# KiCad board Boston-keyboard-S.kicad_pcb (continued)
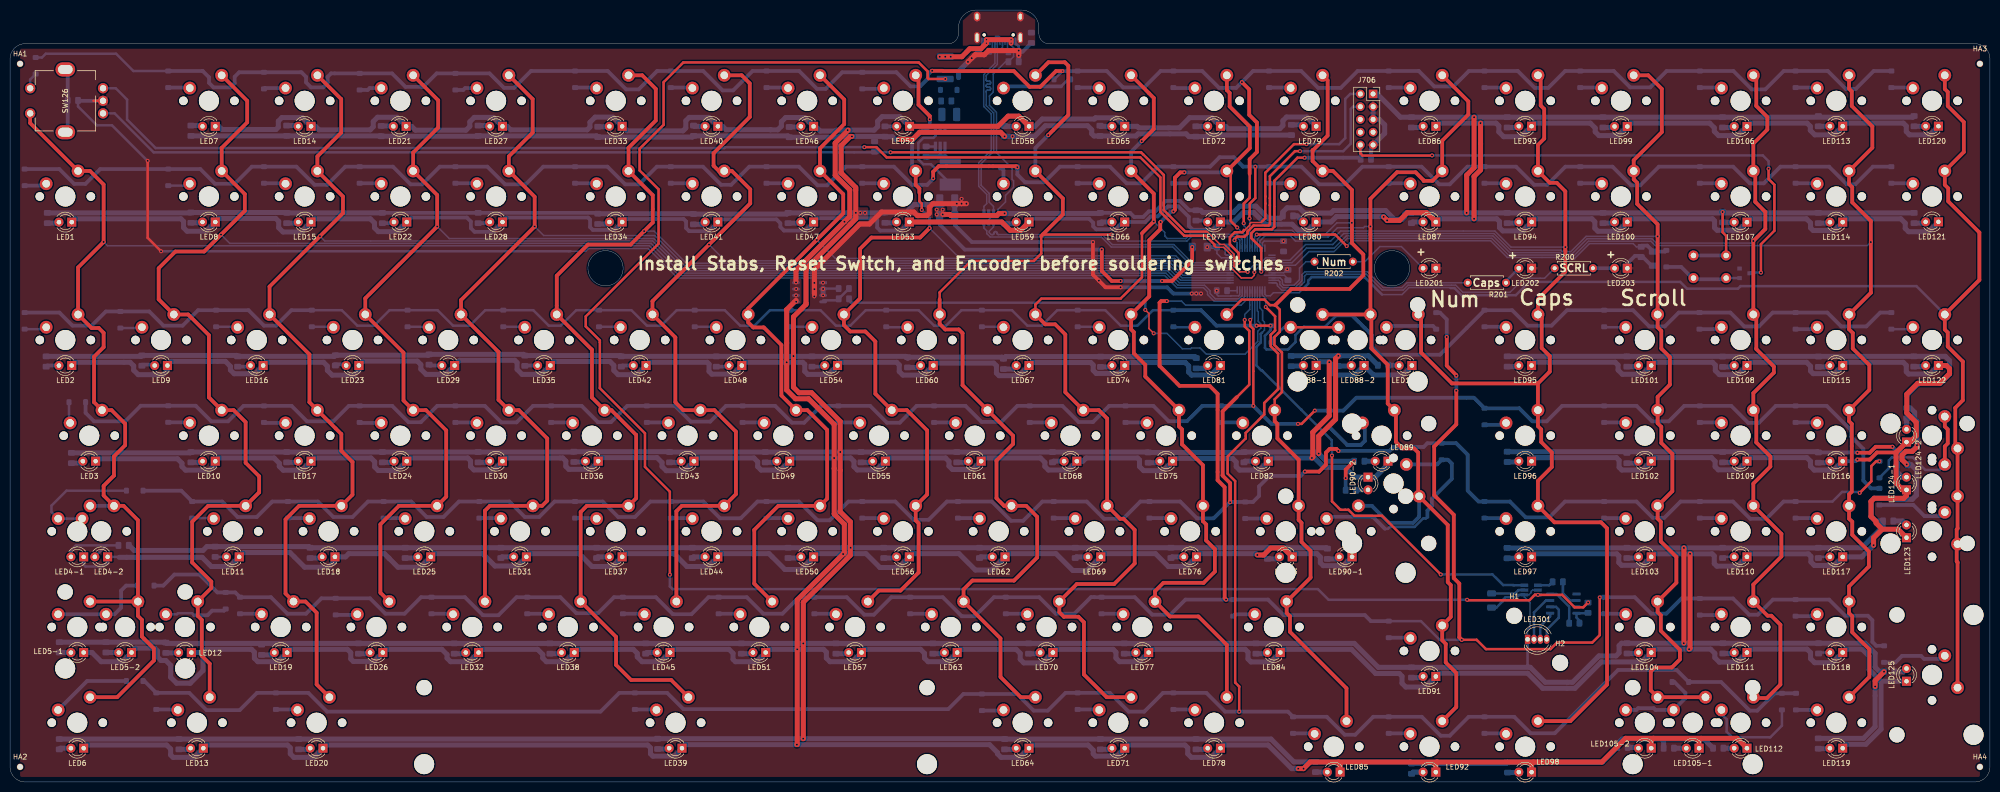
[diagram p0: board, top side]
## Routing (per net, layer and track width the routed paths; a pad name or vN(x,y) marks a point on that pad's centre or on a via; arc(x,y) is an arc through that point) (continued)
  Bottom w0.3: U703.6 193.8,110.3 194.38,109.72 194.38,109.18 195.05,108.51 217.15,108.51 219.15,106.51 231.4,106.51 235.02,102.89 242.79,102.89 U701.32
Dbus+: length 43.9
  Bottom w0.3: 196.47,145.27 196.47,142.88 194.24,140.65 194.24,139.84 194.25,139.77 194.27,139.71 194.31,139.65 194.35,139.61 194.41,139.57 194.47,139.55 194.54,139.54 194.85,139.54 194.91,139.53 194.98,139.51 195.03,139.47 195.08,139.43 195.12,139.37 195.14,139.31 195.15,139.24 195.14,139.17 195.12,139.11 195.08,139.05 195.03,139.01 194.98,138.97 194.91,138.95 194.85,138.94 194.54,138.94 194.47,138.93 194.41,138.91 194.35,138.87 194.31,138.83 194.27,138.77 194.25,138.71 194.24,138.64 194.25,138.57 194.27,138.51 194.31,138.45 194.35,138.41 194.41,138.37 194.47,138.35 194.54,138.34 194.85,138.34 194.91,138.33 194.98,138.31 195.03,138.27 195.08,138.23 195.12,138.17 195.14,138.11 195.15,138.04 195.14,137.97 195.12,137.91 195.08,137.85 195.03,137.81 194.98,137.77 194.91,137.75 194.85,137.74 194.54,137.74 194.47,137.73 194.41,137.71 194.35,137.67 194.31,137.63 194.27,137.57 194.25,137.51 194.24,137.44 194.24,134.7 195.74,133.2 195.74,125.6 193.24,123.1 193.24,118.8 194.84,117.2 194.84,115.46 195.7,114.6 U703.3 ; 196.47,145.27 196.47,147.96 J705.A6 ; 196.47,145.27 197.5,146.3 197.5,146.61 197.49,146.63 J705.B6 ; J705.B6 197.47,147.96 ; J705.B6 197.49,147.93
Dbus-: length 39.7
  Bottom w0.3: J705.A7 196.99,148.22 196.73,148.48 196.24,148.48 195.99,148.23 J705.B7 195.99,143.08 193.76,140.85 193.76,134.5 195.26,133 195.26,125.8 192.76,123.3 192.76,118.6 194.36,117 194.36,115.16 193.8,114.6 U703.1
EncA: length 252.6
  Top w0.3: v1(246.28,101.57) 244.67,101.57 243.57,102.67 243.57,105.09 241.63,107.03 240.79,107.03 238.23,109.59 237.98,109.59
  Top w0.5: 237.98,109.59 233.87,109.59 229.6,113.86 229.6,120.85 225.08,125.37 v1(175.22,125.37)
  Bottom w0.3: U701.2 249.93,104.38 249.22,103.67 249.22,103.34 248.87,102.99 247.57,102.99 246.59,102.01 246.59,101.88 v1(246.28,101.57)
  Bottom w0.5: SW126.A 20.81,133.12 28.57,125.37 v1(175.22,125.37)
EncB: length 257.9
  Top w0.3: 239.67,106.72 239.94,106.45 241.49,106.45 243.06,104.88 243.06,102.3 245.01,100.35 247.08,100.35 247.61,100.88 v1(247.61,101.51)
  Top w0.5: v1(170,126.4) 172.4,126.4 174.44,124.36 224.93,124.36 228.92,120.37 228.92,113.5 233.66,108.76 237.92,108.76 239.67,107.01 239.67,106.72
  Bottom w0.3: U701.6 248.32,102.38 247.61,101.67 v1(247.61,101.51)
  Bottom w0.5: 165.48,126.37 142.29,126.37 142.14,126.22 28.97,126.22 23.29,131.9 23.29,135.86 21.02,138.12 SW126.B ; v1(170,126.4) 165.49,126.4 R708.1
LED_PWM: length 100
  Top w0.3: v1(227.59,89.33) 226.65,90.27 226.65,93.25 v1(225.91,93.99)
  Bottom w0.3: U701.16 248.21,93.8 248.39,93.62 248.39,91.71 248.91,91.19 248.91,90.35 248.29,89.73 248.29,87.72 245.76,85.19 238.04,85.19 236.82,86.41 235.11,86.41 234.96,86.26 233.28,86.26 230.22,89.32 227.6,89.32 v1(227.59,89.33)
  Bottom w0.5: 167.14,95.68 167.39,95.43 225.89,95.43 225.91,95.41 v1(225.91,93.99)
LED_switch: length 2958.4
  Top w0.75: v1(367.62,64.19) 370.09,64.19 371.5,65.61 375.32,65.61
  Top w1: 284,3.97 283.73,3.7 LED92.1 ; 284,3.97 264.36,3.97 ; 284,3.97 303.18,3.97 ; v1(334.12,26.44) 334.32,26.64 v1(334.32,45.42) ; LED122.1 385.33,82.92 385.96,82.29 385.96,81.3 384.03,79.37 379.61,79.37 377.45,77.21 377.45,73.47 379.33,71.59 379.33,68.91 378.1,67.68 LED124-2.1 375.32,65.61 375.32,59.5 376.67,58.16 LED124-1.1 377.39,57.02 376.85,56.48 370.97,56.48 370.32,55.83 370.32,52.86 371.34,51.84 371.34,51.54 372.56,50.32 ; LED59.1 201.12,109.84 199,109.84 197.34,111.5 LED53.1 ; LED52.1 196.59,130.55 198.62,132.57 200.74,132.57 LED58.1 ; 303.18,3.97 316.77,3.97 321.49,8.69 327.04,8.69 ; 303.18,3.97 302.78,3.57 LED98.1 ; 283.73,111.28 LED87.1 281.88,113.35 278.05,113.35 276.51,111.81 v1(274.04,111.81) v1(273.34,112.51) ; LED105-2.1 326.6,8.25 327.04,8.69 ; v1(156.58,7.43) 156.65,7.5 v1(156.65,26.41) 156.65,36.24 v1(165.78,45.38) 166.02,45.61 166.02,51.33 164,53.35 v1(164,64.5) 164,71.2 158.9,76.3 156.3,76.3 154.56,78.04 v1(154.56,83.56) 154.56,93.94 154.5,94 156.4,95.9 ; 156.4,99.7 156.4,101.9 v1(166.05,111.55) 167.1,112.6 167.1,117.9 164.2,120.8 164.2,127.2 166.8,129.8 ; 372.56,50.32 370.85,48.61 v1(370.85,47.14) ; 372.56,50.32 375.7,50.32 LED123.1 ; v1(248.2,45.19) 249.48,45.19 250.87,46.58 253.4,46.58 LED83.1 ; v1(259.07,64.51) 259.24,64.68 259.24,69.62 262.52,72.9 v1(262.52,83.58) ; 327.04,8.69 343.68,8.69 LED112.1 ; 264.36,3.97 258.73,3.97 v1(257.41,2.65) v1(256.35,2.65) ; 264.36,3.97 264.68,3.65 LED85.1 ; v1(291.34,112.13) 291.34,120.57 292.63,121.86 v1(292.63,131.18) ; LED105-1.1 336.12,8.27
  Bottom w0.5: 21.73,44.73 21.63,44.82 LED4-2.1 19.41,43.81 18.5,42.9 15,42.9 14.65,43.25 LED4-1.1
  Bottom w0.75: LED116.1 367.3,63.87 v1(367.62,64.19) ; LED53.1 177.25,109.79 173.16,109.79 172.56,110.39 172.56,111.85 172.15,112.26 160.67,112.26 LED47.1 158.2,109.79 154.01,109.79 153.29,110.51 153.29,111.25 152.52,112.02 141.38,112.02 LED41.1 139.04,109.68 135.14,109.68 134.53,110.29 134.53,111.61 134.05,112.09 122.41,112.09 LED34.1 120.22,109.91 115.98,109.91 115.42,110.47 115.42,111.99 115.03,112.38 98.88,112.38 LED28.1 96.04,109.54 92.44,109.54 91.7,110.28 91.7,111.59 90.91,112.38 79.83,112.38 LED22.1 ; 240.87,111.97 LED73.1 239.32,109.95 235.35,109.95 234.57,110.72 234.57,112.53 232.5,114.6 230.4,114.6 228.4,112.6 227,112.6 225.9,111.5 LED66.1 221.42,111.5 219.97,110.04 216.13,110.04 215.55,110.62 215.55,111.34 214.74,112.15 203.42,112.15 LED59.1
  Bottom w1: LED127.1 278.97,82.8 277.23,81.05 271.31,81.05 LED88-2.1 267.55,81.03 263.68,81.03 262.82,81.88 262.82,83.28 v1(262.52,83.58) 262.43,83.67 260.65,83.67 LED88-1.1 ; LED22.1 77.03,109.58 73.28,109.58 72.53,110.33 72.53,111.3 71.7,112.13 60.53,112.13 LED15.1 57.91,109.51 54.31,109.51 53.46,110.36 53.46,111.62 52.87,112.21 41.56,112.21 LED8.1 39.01,109.66 35.23,109.66 34.53,110.36 34.53,111.62 34.02,112.13 12.93,112.13 LED1.1 ; v1(166.05,111.55) 166.05,112.12 166.03,112.13 165.94,112.13 ; LED116.1 362.93,62.1 359.03,62.1 358.28,62.85 358.28,63.87 357.57,64.58 346.36,64.58 LED109.1 343.93,62.15 339.94,62.15 339.31,62.78 339.31,63.85 338.58,64.58 327.31,64.58 LED102.1 324.83,62.11 320.75,62.11 320.2,62.66 320.2,64.05 319.67,64.58 303.49,64.58 LED96.1 ; 267.06,44.81 265.32,43.07 261.32,43.07 260.75,43.64 260.75,44.77 260.06,45.46 255.8,45.46 LED83.1 ; LED58.1 203.94,130.55 205.4,132 215.78,132 216.03,132.25 220.12,132.25 LED65.1 224.31,130.55 224.6,130.25 232.72,130.25 234.75,132.28 239.14,132.28 LED72.1 241.91,130.55 242.38,130.07 252.68,130.07 253.3,130.7 253.3,131.68 254.03,132.4 258.06,132.4 LED79.1 ; LED52.1 177.07,132.47 173.55,132.47 172.65,131.57 172.65,130.48 171.96,129.79 v1(166.69,129.79) 164.49,129.79 164.3,129.6 161.22,129.6 160.28,130.55 LED46.1 158.15,132.3 154.35,132.3 153.5,131.45 153.5,130.57 152.78,129.85 151.32,129.85 151.3,129.88 142.47,129.88 141.81,130.55 LED40.1 139.08,132.32 135.15,132.32 134.47,131.65 134.47,130.2 133.93,129.65 122.83,129.65 121.93,130.55 LED33.1 119.98,132.38 116.42,132.38 115.4,131.35 115.4,130.4 114.85,129.85 99.6,129.85 98.91,130.55 LED27.1 96.22,132.32 92.38,132.32 91.5,131.45 91.5,130.55 90.72,129.78 80.67,129.78 79.91,130.55 LED21.1 77.01,132.35 73.12,132.35 72.28,131.5 72.28,130.45 71.67,129.85 61.48,129.85 60.78,130.55 LED14.1 58.15,132.29 54.1,132.29 53.39,131.58 53.39,130.39 52.91,129.91 42.19,129.91 41.56,130.55 LED7.1 ; 21.73,44.73 38.23,44.73 40.05,42.9 43.69,42.9 LED11.1 46.47,45.68 55.7,45.68 58.62,42.76 63.39,42.76 64.66,44.03 LED18.1 66.76,44.82 67.4,45.46 74.5,45.46 75.48,44.48 ; LED120.1 382.02,128.85 378,128.85 377.35,129.5 377.35,130.6 376.77,131.18 365.31,131.18 LED113.1 362.97,128.85 359.15,128.85 358.25,129.75 358.25,130.55 357.62,131.18 346.31,131.18 LED106.1 343.83,128.7 340,128.7 339.15,129.55 339.15,130.25 338.22,131.18 322.5,131.18 LED99.1 320.01,128.7 316.2,128.7 315.45,129.45 315.45,130.2 314.47,131.18 303.4,131.18 LED93.1 300.69,128.48 297.23,128.48 296.27,129.43 296.27,130.62 295.71,131.18 v1(292.63,131.18) 284.38,131.18 LED86.1 ; 75.48,44.48 77.2,42.76 81.64,42.76 LED25.1 84.35,45.46 94.04,45.46 96.5,43 100.94,43 LED31.1 103.4,45.46 113.24,45.46 115.8,42.9 119.89,42.9 LED37.1 122.45,45.46 132.14,45.46 134.7,42.9 138.94,42.9 LED44.1 141.5,45.46 151.04,45.46 154.2,42.3 157.39,42.3 LED50.1 160.55,45.46 170.34,45.46 173.1,42.7 176.84,42.7 LED56.1 179.6,45.46 188.84,45.46 192.1,42.2 195.39,42.2 LED62.1 198.65,45.46 208.14,45.46 211.5,42.1 214.34,42.1 LED69.1 217.7,45.46 227.94,45.46 230.5,42.9 234.19,42.9 LED76.1 236.75,45.46 247.93,45.46 v1(248.2,45.19) ; 75.48,44.48 75.14,44.82 ; 372.28,20.06 369.95,22.38 369.95,25.05 368.56,26.44 365.37,26.44 LED118.1 362.68,23.75 359.1,23.75 358.3,24.55 358.3,25.75 357.61,26.44 346.32,26.44 LED111.1 343.73,23.85 340.15,23.85 339.25,24.75 339.25,25.6 338.41,26.44 v1(334.12,26.44) 327.27,26.44 LED104.1 324.73,23.9 316.67,23.9 311.42,18.65 305,18.65 302.01,21.64 284.37,21.64 LED91.1 281.62,18.9 277.75,18.9 277,19.65 277,21.05 276.45,21.6 271.75,21.6 266.94,26.41 253.41,26.41 LED84.1 250.91,23.9 246.95,23.9 246.35,24.5 246.35,25.85 245.79,26.41 227.22,26.41 LED77.1 224.76,23.94 220.79,23.94 220.07,24.66 220.07,25.85 219.51,26.41 208.17,26.41 LED70.1 205.47,23.71 201.74,23.71 201.02,24.42 201.02,25.61 200.23,26.41 189.12,26.41 LED63.1 186.66,23.94 182.69,23.94 181.97,24.66 181.97,25.61 181.18,26.41 170.07,26.41 LED57.1 167.61,23.94 163.16,23.94 162.45,24.66 162.45,25.85 161.89,26.41 v1(156.65,26.41) 151.02,26.41 LED51.1 148.56,23.94 144.35,23.94 143.87,24.42 143.87,25.61 143.08,26.41 131.97,26.41 LED45.1 129.51,23.94 125.78,23.94 124.82,24.9 124.82,25.61 124.03,26.41 112.92,26.41 LED38.1 110.46,23.94 106.73,23.94 106.01,24.66 106.01,25.37 104.98,26.41 93.87,26.41 LED32.1 91.41,23.94 87.68,23.94 86.96,24.66 86.96,25.37 85.93,26.41 74.82,26.41 LED26.1 72.41,24 68.3,24 67.8,24.5 67.8,25.75 67.14,26.41 55.51,26.41 55.13,26.03 LED19.1 53.31,23.94 49.31,23.94 48.62,24.63 48.62,25.85 48.06,26.41 38.94,26.41 38.38,25.85 ; 372.28,20.06 372.33,20 372.33,10.51 369.31,7.49 365.29,7.49 364.69,6.89 LED119.1 ; 372.28,20.06 LED125.1 ; v1(256.35,2.65) 255.06,2.65 250.35,7.36 241.51,7.36 LED78.1 239.04,4.89 235.08,4.89 234.36,5.61 234.36,6.8 233.8,7.36 222.46,7.36 LED71.1 220.23,5.13 216.03,5.13 215.55,5.61 215.55,6.32 214.51,7.36 203.41,7.36 LED64.1 200.94,4.89 197.21,4.89 196.5,5.61 196.5,5.85 194.92,7.43 v1(156.58,7.43) 134.42,7.43 LED39.1 133.71,6.64 132.21,5.13 127.92,5.13 127.44,5.61 127.44,6.8 126.88,7.36 62.91,7.36 LED20.1 60.45,4.89 56.48,4.89 55.77,5.61 55.77,6.8 55.21,7.36 39.1,7.36 LED13.1 36.64,4.89 32.43,4.89 31.95,5.37 31.95,6.56 31.16,7.36 15.29,7.36 LED6.1 ; v1(273.34,112.51) 273.27,112.58 263.95,112.58 262.88,111.5 LED80.1 258.27,109.85 256.32,109.85 255.12,111.05 249.85,111.05 247.5,113.4 245.4,113.4 243.5,111.5 LED73.1 ; LED3.1 17.51,64.35 33.32,64.35 34.21,63.46 34.21,62.8 34.93,62.08 39.66,62.08 40.84,63.27 LED10.1 41.48,64.51 52.54,64.51 53.58,63.47 53.58,62.85 54.36,62.07 58.09,62.07 LED17.1 60.53,64.51 71.82,64.51 72.56,63.77 72.56,62.72 73.26,62.02 77.09,62.02 LED24.1 79.58,64.51 91.07,64.51 91.64,63.94 91.64,62.8 92.31,62.13 96.25,62.13 LED30.1 98.63,64.51 109.99,64.51 110.6,63.9 110.6,62.84 111.19,62.25 115.56,62.25 117.05,63.73 LED36.1 117.76,64.58 128.76,64.58 129.74,63.6 129.74,62.82 130.58,61.98 134.2,61.98 LED43.1 136.73,64.51 148.03,64.51 148.78,63.76 148.78,62.79 149.47,62.1 153.38,62.1 LED49.1 155.78,64.51 167.27,64.51 167.94,63.84 167.94,62.78 168.6,62.12 172.44,62.12 LED55.1 174.83,64.51 186.17,64.51 186.85,63.83 186.85,62.91 187.54,62.22 191.59,62.22 LED61.1 193.88,64.51 205.05,64.51 205.93,63.63 205.93,62.82 206.64,62.11 210.53,62.11 LED68.1 213.5,63.87 214.14,64.51 224.37,64.51 224.76,64.12 224.76,62.81 225.58,61.99 229.47,61.99 LED75.1 231.91,64.44 243.27,64.44 244,63.71 244,62.78 244.68,62.1 248.62,62.1 LED82.1 251.03,64.51 v1(259.07,64.51) 259.61,64.51 261.48,62.64 265.68,62.64 267.62,60.7 LED90-2.1 271.67,60.7 273.84,62.87 273.84,62.93 ; LED59.1 203.3,112.02 ; LED87.1 284.37,112.13 295.87,112.13 296.4,111.6 296.4,110.38 297.05,109.72 301.02,109.72 LED94.1 303.43,112.13 314.79,112.13 315.38,111.55 315.38,110.25 315.98,109.65 319.98,109.65 LED100.1 322.47,112.13 338.79,112.13 339.2,111.72 339.2,110.35 339.7,109.85 344.03,109.85 LED107.1 345.64,111.5 346.28,112.13 357.49,112.13 358.3,111.33 358.3,110.33 358.82,109.8 363.03,109.8 LED114.1 365.36,112.13 376.28,112.13 377.14,111.27 377.14,110.22 377.8,109.56 381.78,109.56 LED121.1 ; LED5-1.1 16.32,25.77 18.14,23.94 22.35,23.94 LED5-2.1 25.05,26.65 28.78,26.65 29.34,26.09 29.34,24.9 30.05,24.18 31,24.18 31.95,23.23 31.95,20.85 33.15,19.66 35.86,19.66 38.38,22.18 38.38,25.85 ; v1(370.85,47.14) 370.82,47.14 368.5,44.82 LED117.1 362.98,43.1 359.09,43.1 358.95,43.24 358.94,43.24 358.37,43.81 358.37,44.92 357.87,45.42 346.24,45.42 LED110.1 343.8,42.97 339.65,42.97 339.14,43.48 339.14,45 338.72,45.42 v1(334.32,45.42) 327.19,45.42 LED103.1 324.92,43.14 320.69,43.14 320.15,43.68 320.15,45.01 319.74,45.42 303.15,45.42 302.78,45.05 LED97.1 ; LED2.1 12.91,83.56 23.89,83.56 24.6,82.85 24.6,82 25.5,81.1 30.5,81.1 31.32,81.92 LED9.1 32.14,83.74 42.86,83.74 43.85,82.75 43.85,82.03 44.6,81.28 48.73,81.28 LED16.1 51.01,83.56 62.39,83.56 63.15,82.8 63.15,81.95 64.1,81 68.45,81 69.42,81.97 LED23.1 70.29,83.79 81.06,83.79 81.75,83.1 81.75,82.2 82.8,81.15 86.7,81.15 LED29.1 89.51,83.96 100.44,83.96 100.9,83.5 100.9,82.15 101.9,81.15 105.75,81.15 LED35.1 108.32,83.72 119.38,83.72 120.15,82.95 120.15,81.95 121,81.1 124.75,81.1 LED42.1 127.21,83.56 138.74,83.56 139.1,83.2 139.1,81.75 139.65,81.2 143.9,81.2 LED48.1 146.26,83.56 157.74,83.56 158.15,83.15 158.15,81.75 158.75,81.15 162.9,81.15 LED54.1 164.67,83.17 165.06,83.56 176.43,83.56 176.95,83.04 176.95,81.73 177.67,81.01 181.81,81.01 LED60.1 183.72,83.19 183.93,83.4 195.76,83.4 196.29,82.87 196.29,81.41 196.8,80.9 200.75,80.9 LED67.1 203.36,83.51 215.06,83.51 215.55,83.02 215.55,81.96 216.12,81.39 216.15,81.39 216.2,81.34 220.71,81.34 221.82,82.45 LED74.1 222.41,83.51 233.88,83.51 234.55,82.84 234.55,81.59 235.13,81.01 238.96,81.01 LED81.1 ; LED122.1 382.05,81.22 377.8,81.22 377.35,81.67 377.35,82.95 376.74,83.56 365.33,83.56 LED115.1 363.07,81.3 358.82,81.3 358.3,81.83 358.3,82.78 357.52,83.56 346.28,83.56 LED108.1 343.82,81.1 340.15,81.1 339.35,81.9 339.35,83 338.79,83.56 327.23,83.56 LED101.1 324.85,81.17 320.85,81.17 320,82.03 320,83 319.43,83.57 303.43,83.57 LED95.1 ; 38.38,25.85 38.3,25.77 LED12.1
  vias: v1(156.41,99.46) v1(156.43,98.16) v1(156.41,96.89) v1(156.44,95.61)
NRST: length 156.7
  Top w0.5: v1(257.6,124.3) 256.2,124.3 251.6,119.7 251.6,110.55 251.1,110.05 247.8,110.05 247,109.25 247,108.3 249,106.3 v1(249,101.6) ; v1(348.43,101.42) 348.43,107.08 351.1,109.75 351.1,118.9 349.95,120.05 v1(349.95,122.1) ; J706.10 268.71,125.16 269.15,124.72 282.95,124.72 v1(282.98,124.75)
  Bottom w0.3: U701.7 249.28,101.88 v1(249,101.6)
  Bottom w0.5: Q701.3 346.32,101.42 v1(348.43,101.42) ; v1(349.95,122.1) 349.95,123.6 348.8,124.75 v1(282.98,124.75)
  Bottom w0.75: v1(257.6,124.3) 268.48,124.3 268.77,124 268.77,126.78 J706.10
NUM_INDICATOR: length 17
  Bottom w0.3: R202.1 269.6,103.6 272.6,106.6 276.88,106.6 LED201.2
RGBLED: length 94.6
  Top w0.5: v1(284.71,41.32) 273.03,53 267.54,53 266.35,54.19 264.75,54.19 263.06,55.88 v1(263.06,64.98)
  Bottom w0.3: 249.18,89.51 249.63,89.96 249.63,91.55 249.26,91.92 249.26,93.84 248.71,94.39 U701.15
  Bottom w0.5: v1(284.71,41.32) 295,41.32 297.12,39.21 299.17,39.21 299.21,39.16 U705.3 ; v1(263.06,64.98) 263.06,66.73 263.01,66.78 263.01,68.05 256.98,74.08 256.98,74.1 249.18,81.9 249.05,81.9 248.04,82.91 248.04,86.65 248.87,87.48 248.87,89.2 249.18,89.51
Row1: length 458.6
  Top w0.5: v1(245.5,111.25) 245.5,115.15 246.68,116.33 246.68,121.11
  Top w0.75: 193.45,141.55 193.5,141.6 ; 193.45,141.55 185.65,141.55 ; 193.45,141.55 199.75,141.55 202.9,138.4 205,138.4 208.15,141.55 v2(209.45,141.55) ; v1(245.14,139.34) 246.6,137.88 246.6,132.82 248.12,131.3 248.12,125.42 246.68,123.98 246.68,121.11 ; v1(183.5,141.6) 185.6,141.6
  Bottom w0.3: U701.41 246.21,110.09 245.5,110.8 v1(245.5,111.25)
  Bottom w0.5: D126.1 6.35,144.25 7.1,145 21.1,145 24.54,141.56 D7.1 ; v2(209.45,141.55) 207.8,139.9 D58.1
  Bottom w0.75: D120.1 370.86,141.56 367.3,138 365.3,138 361.74,141.56 D113.1 352.96,141.56 349.3,137.9 346.6,137.9 342.94,141.56 D106.1 329.66,141.56 326.4,138.3 322.4,138.3 319.14,141.56 D99.1 309.46,141.56 306.1,138.2 303.4,138.2 300.04,141.56 D93.1 290.3,141.56 287.23,138.48 283.42,138.48 280.34,141.56 D86.1 268.16,141.56 264.8,138.2 260.3,138.2 256.94,141.56 D79.1 247.36,141.56 v1(245.14,139.34) 244,138.2 240.6,138.2 237.24,141.56 D72.1 228.96,141.56 225.7,138.3 221.5,138.3 218.24,141.56 D65.1 212.44,141.55 v2(209.45,141.55) 209.4,141.55 ; v1(183.5,141.6) 183.4,141.6 182.7,140.9 182.7,140.1 181.1,138.5 179.2,138.5 176.39,141.31 D52.1 165.61,141.31 162.3,138 160.6,138 157.04,141.56 D46.1 147.76,141.56 143.9,137.7 141.8,137.7 137.94,141.56 D40.1 128.76,141.56 125.1,137.9 122.6,137.9 118.94,141.56 D33.1 103.66,141.56 100.3,138.2 98.3,138.2 95.42,141.09 D27.1 84.89,141.09 82.2,138.4 78.7,138.4 76.02,141.09 D21.1 63.88,141.09 63.2,140.4 63.2,139.2 62.3,138.3 59.9,138.3 58.9,139.3 58.9,140.4 57.99,141.31 D14.1 45.59,141.31 44.7,140.41 44.7,139.1 43.9,138.3 40.5,138.3 39.6,139.2 39.6,140.3 38.34,141.56 D7.1
Row2: length 440.4
  Top w0.5: v1(246.65,112.2) 246.65,113.37 246.7,113.42 ; 246.7,113.42 246.7,115.15 247.81,116.26 v1(247.81,122.51) ; 246.7,113.42 246.71,113.41
  Top w0.75: v1(200.45,122.4) 200.25,122.6 184.8,122.6 183.7,121.5 v1(183.7,120.2)
  Bottom w0.3: v1(246.65,112.2) 246.71,112.14 U701.42 ; 247.59,122.42 247.5,122.51
  Bottom w0.75: v1(200.45,122.4) 200.45,120.95 202,119.4 205.8,119.4 208.91,122.51 D66.1 218.89,122.51 222.2,119.2 225.1,119.2 228.41,122.51 D73.1 238.81,122.51 240.7,124.4 243.5,124.4 245.39,122.51 v1(247.81,122.51) D80.1 256.99,122.51 260.5,119 265.6,119 269.11,122.51 D87.1 280.89,122.51 284.4,119 286.5,119 290.01,122.51 D94.1 299.69,122.51 303.3,118.9 305.9,118.9 309.51,122.51 D100.1 318.89,122.51 322.6,118.8 324.4,118.8 328.11,122.51 D107.1 342.89,122.51 346.2,119.2 349,119.2 352.31,122.51 D114.1 361.99,122.51 365.5,119 367.2,119 370.71,122.51 D121.1 ; v1(183.7,120.2) 183.7,120.1 182.52,118.92 182.52,118.9 179.5,118.9 175.89,122.51 D53.1 166.31,122.51 162.6,118.8 160.7,118.8 156.99,122.51 D47.1 147.11,122.51 143.5,118.9 141.5,118.9 137.89,122.51 D41.1 128.71,122.51 125.2,119 122.4,119 118.89,122.51 D34.1 106.11,122.51 102.6,119 98.5,119 94.99,122.51 D28.1 85.51,122.51 82,119 79.7,119 76.19,122.51 D22.1 66.71,122.51 63.1,118.9 60.6,118.9 56.99,122.51 D15.1 48.11,122.51 44.7,119.1 40.8,119.1 37.86,122.03 D8.1 17.95,122.03 15,119.09 12.75,119.09 9.8,122.03 D1.1
Row3: length 437.6
  Top w0.5: v1(248.06,90.86) v1(250.86,90.86)
  Bottom w0.3: 247.76,90.86 247.71,90.91 U701.17
  Bottom w0.5: D81.1 227.44,93.94 224.36,90.86 221.03,90.86 217.95,93.94 D74.1 208.39,93.94 205.31,90.86 202.45,90.86 199.37,93.94 D67.1 189.34,93.94 186.26,90.86 183.88,90.86 180.8,93.94 D60.1 170.29,93.94 167.21,90.86 164.35,90.86 161.27,93.94 D54.1 151.24,93.94 148.16,90.86 145.3,90.86 142.22,93.94 D48.1 132.67,93.94 129.59,90.86 126.73,90.86 123.65,93.94 D42.1 112.66,93.94 109.58,90.86 107.2,90.86 104.12,93.94 D35.1 94.56,93.94 91.49,90.86 88.15,90.86 85.07,93.94 D29.1 75.52,93.94 72.44,90.86 69.1,90.86 66.02,93.94 D23.1 ; 267.22,92.76 263.79,92.76 261.66,90.63 257.45,90.63 255.8,88.98 255.8,87.59 254.33,86.12 250.04,86.12 249.72,86.44 249.72,88.85 250.86,89.99 v1(250.86,90.86)
  Bottom w0.75: v1(248.06,90.86) 240.08,90.86 237,93.94 D81.1 ; 267.22,92.76 271,88.98 271,86.65 272.58,85.07 284.55,85.07 D95.1 298.91,93.94 301.99,90.86 306.75,90.86 309.83,93.94 D101.1 322.96,93.94 326.2,90.7 329.3,90.7 332.06,93.46 D108.1 342.34,93.46 345.1,90.7 348,90.7 350.76,93.46 D115.1 361.64,93.46 364.4,90.7 369.4,90.7 372.16,93.46 D122.1 ; D2.1 9.83,93.46 12.43,90.86 16.24,90.86 19.06,93.68 D9.1 27.7,93.68 30.53,90.86 34.34,90.86 37.41,93.94 D16.1 47.45,93.94 50.53,90.86 52.91,90.86 55.99,93.94 D23.1
Row4: length 437.7
  Top w0.5: v1(246.8,92) 246.8,90.8 247.41,90.19 v1(247.41,74.89) ; v1(256.3,71.3) 257.01,71.3 v1(259.64,73.93)
  Bottom w0.3: v1(246.8,92) 247.21,92.41 U701.18
  Bottom w0.75: v1(259.64,73.93) D89.1 265.33,73.93 267.9,76.5 291.33,76.5 D96.1 300.34,74.41 302.94,71.81 305.8,71.81 308.88,74.89 D102.1 323.68,74.89 326.75,71.81 330.09,71.81 333.17,74.89 D109.1 342.51,74.89 345.9,71.5 348,71.5 351.39,74.89 D116.1 361.51,74.89 366.4,70 366.4,68.72 368.8,66.32 368.8,60 370.35,58.45 D123.1 ; D3.1 15.03,75.84 15.03,73.49 16.71,71.81 22.91,71.81 26.01,74.91 D10.1 36.95,74.91 40.05,71.81 43.38,71.81 46.46,74.89 D17.1 56.02,74.89 59.1,71.81 64.34,71.81 67.42,74.89 D24.1 76.04,74.89 79.3,71.63 81.75,71.63 85.01,74.89 D30.1 94.47,74.89 97.76,71.6 100.79,71.6 104.08,74.89 D36.1 113.74,74.89 116.99,71.64 119.58,71.64 122.83,74.89 D43.1 132.33,74.89 135.47,71.75 139.33,71.75 142.47,74.89 D49.1 152.25,74.89 155.61,71.53 158.02,71.53 161.38,74.89 D55.1 171.15,74.89 174.51,71.53 177.05,71.53 180.41,74.89 D61.1 190.13,74.89 193.33,71.69 197.26,71.69 200.46,74.89 D68.1 209.41,74.89 212.63,71.67 215.51,71.67 218.73,74.89 D75.1 227.51,74.89 230.57,71.83 234.2,71.83 237.26,74.89 D82.1 v1(247.41,74.89) 251,71.3 v1(256.3,71.3)
Row5: length 452.8
  Top w0.5: 244.1,76.6 246.6,79.1 246.6,89.8 245.7,90.7 v1(245.7,92) ; v1(372,63.85) 371.34,63.85 370.4,62.91 370.4,59.88 v1(368.08,57.56)
  Top w0.75: v1(257.67,61.8) 260.5,61.8 261.86,63.16 261.86,65.57 262.6,66.31 263.94,66.31 v1(264.34,65.91) ; 244.1,76.6 241.3,73.8 241.3,61 242.8,59.5 v1(242.8,55.7)
  Bottom w0.3: U701.19 246.71,94.11 245.7,93.1 v1(245.7,92)
  Bottom w0.5: D117.1 362.66,55.84 364.57,57.75 367.89,57.75 v1(368.08,57.56)
  Bottom w0.75: v1(264.34,65.91) 274.51,65.91 275.3,66.7 281.3,66.7 282.05,67.45 D90.1 287.77,67.45 290.08,65.14 290.08,58 292.24,55.84 D97.1 298.46,55.84 301.6,52.7 306.3,52.7 309.44,55.84 D103.1 323.66,55.84 326.9,52.6 329.2,52.6 332.44,55.84 D110.1 342.86,55.84 346.3,52.4 349.5,52.4 352.94,55.84 D117.1 ; v1(257.67,61.8) 256.81,60.94 250.65,60.94 248.55,58.84 248.55,56.95 247.35,55.75 D83.1 242.75,55.75 239.5,52.5 236.2,52.5 232.86,55.84 D76.1 224.94,55.84 221.5,52.4 217.7,52.4 214.26,55.84 D69.1 205.44,55.84 201.6,52 199.2,52 195.36,55.84 D62.1 186.44,55.84 182.8,52.2 179.8,52.2 176.16,55.84 D56.1 166.84,55.84 163.1,52.1 160.7,52.1 156.96,55.84 D50.1 148.74,55.84 145.4,52.5 141.3,52.5 137.96,55.84 D44.1 127.43,55.84 124.35,52.76 121.01,52.76 117.94,55.84 D37.1 108.38,55.84 105.3,52.76 102.44,52.76 99.36,55.84 D31.1 89.33,55.84 86.25,52.76 82.91,52.76 79.83,55.84 D25.1 71.23,55.84 68.15,52.76 64.34,52.76 61.26,55.84 D18.1 52.18,55.84 49.1,52.76 45.29,52.76 42.21,55.84 D11.1 34.08,58 D4.1
Row6: length 558.9
  Top w0.5: v1(288.9,28.3) 291.85,28.3 293.7,26.45 306.55,26.45 307.85,27.75 314.85,27.75 316.35,29.25 v1(316.35,36.75)
  Top w0.75: v1(287.8,80.9) 287.8,81 285.9,82.9 v1(285.9,88.6) ; v1(241.99,36.31) 241.7,36.6 241.7,58.7 240.3,60.1 240.3,77.29 238.72,78.87 232.73,78.87 228.75,82.85 228.75,95.42 229.08,95.75 v1(230.2,95.75) ; v1(287.8,77.9) 287.8,71.2 283.4,66.8 283.4,57.1 287.3,53.2 287.3,40.6 288.4,39.5 288.4,28.8 v1(288.9,28.3)
  Bottom w0.3: v1(230.2,95.75) 233.11,95.75 233.91,94.95 245,94.95 246.21,96.16 U701.20
  Bottom w0.5: D104.1 317.19,36.75 v1(316.35,36.75) ; D91.1 280.78,32.02 284.5,28.3 v1(288.9,28.3)
  Bottom w0.75: v1(287.8,80.9) v1(287.8,77.9) ; D104.1 323.31,36.79 326.6,33.5 329.6,33.5 332.63,36.53 D111.1 342.87,36.53 346.1,33.3 347.8,33.3 350.81,36.31 D118.1 361.99,36.31 365.2,33.1 369.7,33.1 370.6,32.2 370.6,27.9 371.39,27.11 D125.1 ; D127.1 284.55,93.45 285.9,92.1 v1(285.9,88.6) ; D91.1 270.81,32.02 269.6,33.23 253.41,33.23 250.33,36.31 D84.1 v1(241.99,36.31) 233.91,36.31 230.9,33.3 227.3,33.3 223.81,36.79 D77.1 215.75,36.79 215.74,36.8 215.1,36.8 211.8,33.5 208.1,33.5 204.81,36.79 D70.1 195.79,36.79 192,33 189.4,33 185.61,36.79 D63.1 175.39,36.79 171.9,33.3 170,33.3 166.51,36.79 D57.1 156.99,36.79 153.7,33.5 149.9,33.5 146.61,36.79 D51.1 138.99,36.79 135.6,33.4 131.9,33.4 128.51,36.79 D45.1 120.19,36.79 117,33.6 112.7,33.6 109.51,36.79 D38.1 100.79,36.79 97.2,33.2 94.1,33.2 90.51,36.79 D32.1 81.79,36.79 78.5,33.5 74.7,33.5 71.63,36.56 D26.1 61.97,36.56 58.9,33.5 55.2,33.5 51.91,36.79 D19.1 44.81,37.74 D12.1 41.26,37.74 37.7,41.3 32.7,41.3 30.5,39.1 D5.1
Row7: length 455.7
  Top w0.5: v1(249.89,94.57) 251.74,92.72 251.74,89.9 250.87,89.03 250.87,86.76 252.34,85.29 252.34,78.22 249.58,75.46 249.58,73.18 245.9,69.5 245.9,68.4 242.3,64.8 242.3,61.4 243.8,59.9 243.8,19.8 244.6,19 v1(244.6,14)
  Bottom w0.3: v1(249.89,94.57) 249.89,96.25 249.21,96.93 U701.14 249.21,97.16 249.2,97.15
  Bottom w0.75: D6.1 26.73,20.1 D13.1 35.66,17.74 39.1,14.3 45.7,14.3 49.14,17.74 D20.1 59.36,17.74 63.1,14 117.5,14 121.24,17.74 D39.1 130.76,17.74 134,14.5 186.7,14.5 189.72,17.52 D64.1 200.38,17.52 203.7,14.2 206.5,14.2 210.04,17.74 D71.1 218.86,17.74 222.6,14 225.7,14 229.44,17.74 D78.1 238.06,17.74 241.8,14 v1(244.6,14) 254.29,14 D85.1 262.03,12.97 265.6,9.4 267.7,9.4 271.27,12.97 D92.1 280.93,12.97 284.7,9.2 286.5,9.2 290.27,12.97 D98.1 299.33,12.97 302.6,9.7 307.4,9.7 320,22.3 331.65,22.3 D105.1 340.5,19.9 346.2,14.2 347.7,14.2 351.15,17.65 D112.1 D119.1
